# Altium PCB ZYNQ_JTY_16CH.PcbDoc (part 4 of 5)
Units mm, origin at the board's own origin, x right, y up, seen from the top; angles counter-clockwise.
Board outline 164 x 124.5 mm, 4 copper layers (Top1, GND2, PWR3, Bottom4), stack 0.568 mm thick; 525 components, 438 nets, 2202 pads, 1379 vias.
Unrouted connection lines stored in the file: 13.
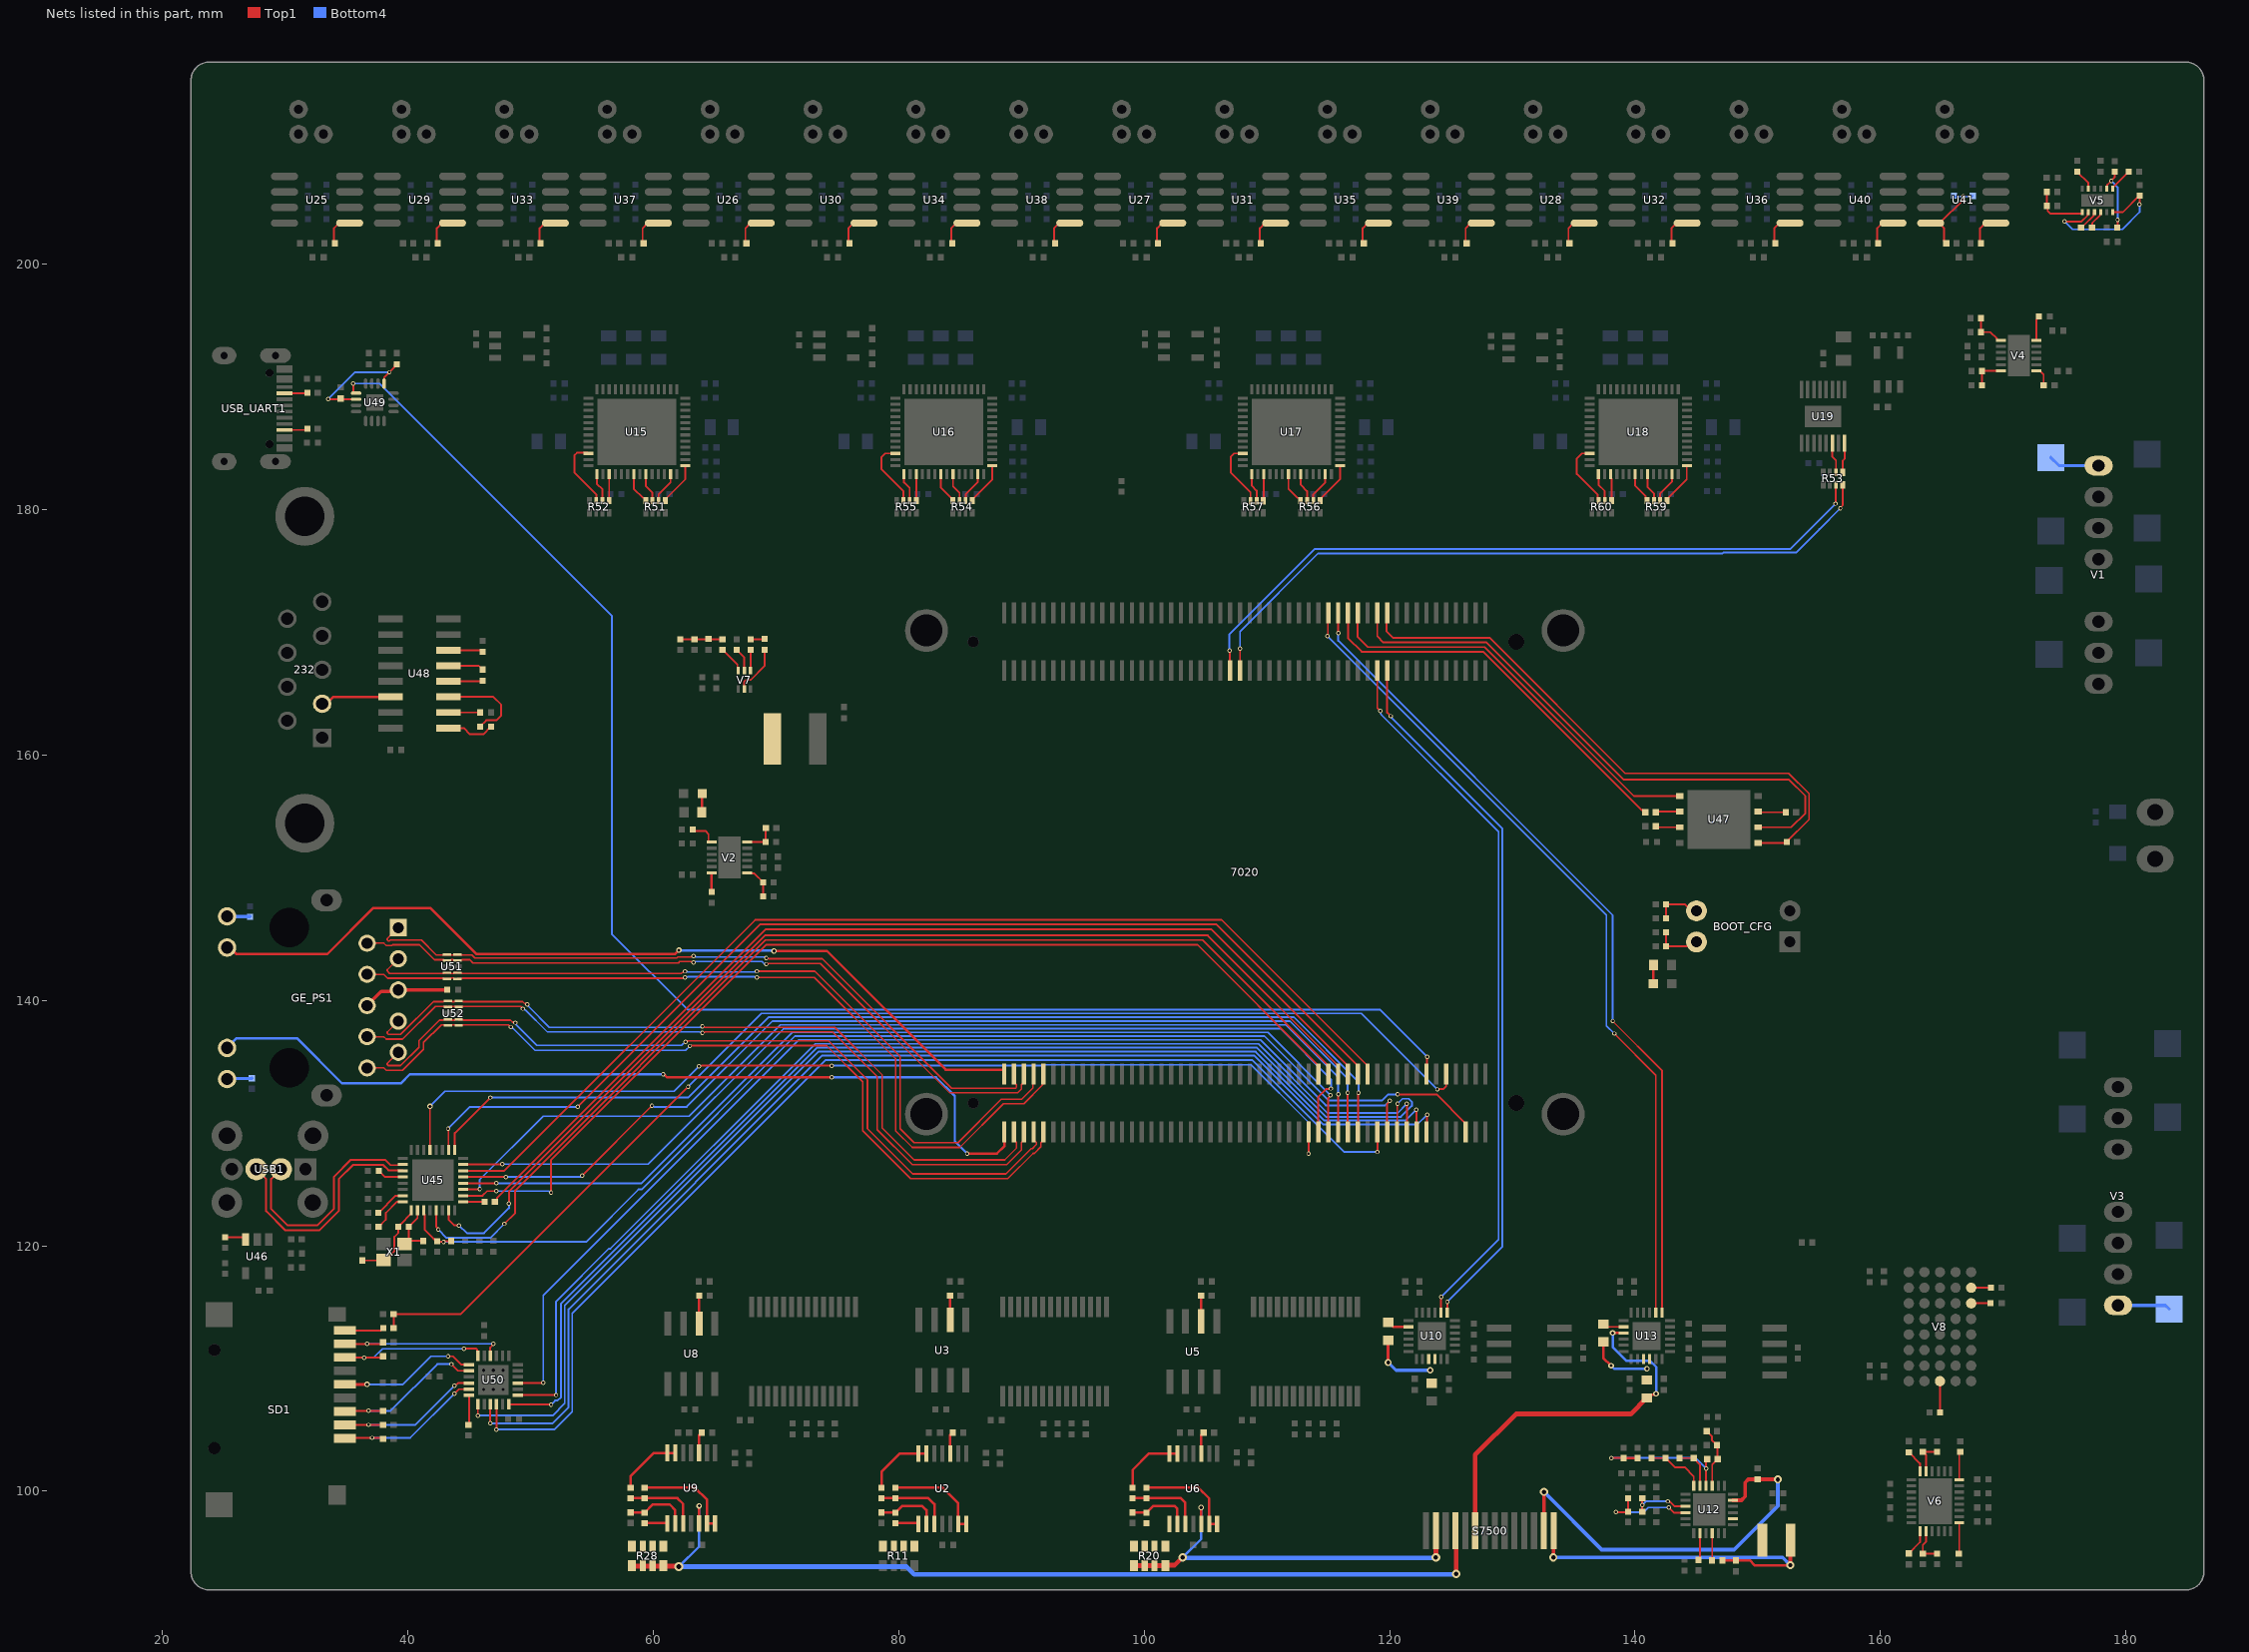
[diagram p6: the nets of this part, all layers, seen from the top]

## Via types
v1: diameter 0.457, hole 0.254, Top1 to Bottom4, tented both sides, 707 vias
v2: diameter 0.356, hole 0.203, Top1 to Bottom4, tented both sides, 314 vias
v3: diameter 0.559, hole 0.305, Top1 to Bottom4, tented both sides, 261 vias
v4: diameter 0.508, hole 0.279, Top1 to Bottom4, tented both sides, 40 vias
v5: diameter 0.66, hole 0.356, Top1 to Bottom4, tented both sides, 18 vias
v6: diameter 0.711, hole 0.381, Top1 to Bottom4, tented both sides, 14 vias
v7: diameter 0.61, hole 0.305, Top1 to Bottom4, tented both sides, 12 vias
v8: diameter 0.61, hole 0.254, Top1 to Bottom4, tented both sides, 9 vias
v9: diameter 0.508, hole 0.305, Top1 to Bottom4, tented both sides, 4 vias

## Nets (pads, with @x,y where several pads share a name; then routed paths per layer and width w, separated by ;. In a path a pad name is that pad's centre, name@x,y a point inside that pad or via, vN(x,y) a via of type N, cw(c..) or ccw(c..) an arc to the next point about the centre after c; other vN are vias at no path point) (continued)
NetC194_2: C194.2 R109.2 R110.1 U41.4 | length 7.1
  Top1 w0.152: U41.4@164.084,203.327 164.763,203.327 164.846,203.327 166.743,205.224 166.743,205.478 v2(166.751,205.486) ; U41.4@164.804,203.285 165.18,202.91 165.18,201.85 R110.1@165.354,201.676
  Bottom4 w0.152: R109.2@165.989,205.569 166.072,205.486 v2(166.751,205.486) 167.455,205.486 C194.2@167.513,205.544
NetC200_1: C200.1 V2.1 | length 2.3
  Top1 w0.152: C200.1@63.246,153.924 63.372,153.798 64.261,153.798 64.511,153.548 64.511,152.939 64.562,152.888 V2.1@64.777,152.888
NetC201_1: C201.1 V2.6 | length 1.5
  Top1 w0.203: C201.1@64.77,148.844 64.77,150.381 V2.6@64.777,150.388
NetC204_1: C204.1 R122.1 R128.1 R130.2 | length 3.4
  Top1 w0.152: R130.2@62.23,169.418 R122.1@63.373,169.418 R128.1@65.659,169.418
NetC207_1: C207.1 V4.1 | length 1.6
  Top1 w0.152: V4.1@172.713,191.282 172.992,191.282 173.286,190.988 C207.1@173.286,190.119
NetC208_1: C208.1 V4.6 | length 2
  Top1 w0.152: V4.6@172.713,193.782 172.713,195.457 C208.1@172.963,195.707
NetC211_1: C211.1 V6.28 | length 1.9
  Top1 w0.152: C211.1@162.306,103.182 163.215,102.273 V6.28@163.215,101.639
NetC212_1: C212.1 V6.9 | length 2.2
  Top1 w0.152: C212.1@162.306,94.941 163.215,95.85 V6.9@163.215,96.735
NetC218_1: C218.1 R129.1 | length 1.2
  Top1 w0.152: R129.1@67.945,169.418 69.06,169.418 C218.1@69.088,169.446
NetC218_2: C218.2 L4.1 V7.2 | length 4.1
  Top1 w0.152: V7.2@67.437,165.367 67.437,165.989 67.564,166.116 67.955,166.116 69.088,167.249 C218.2@69.088,168.546
NetC221_1: C221.1 V5.5 | length 1.8
  Top1 w0.152: C221.1@176.022,207.507 176.935,206.594 V5.5@176.935,206.116
NetC223_1: C223.1 V5.9 | length 1.7
  Top1 w0.152: C223.1@176.334,202.946 176.508,203.12 176.537,203.12 177.386,203.969 177.386,204.167 V5.9@177.435,204.216
NetC223_2: C223.2 V5.10 | length 1.6
  Top1 w0.152: C223.2@177.234,202.946 177.253,202.965 177.253,203.335 177.886,203.969 177.886,204.167 V5.10@177.935,204.216
NetC230_1: C230.1 V8.F1 | length 1.6
  Top1 w0.152: V8.F1@167.386,115.316 C230.1@168.968,115.316
NetC232_2: C232.2 R141.2 U45.25 X1.1 | length 6.8
  Top1 w0.152: C232.2@36.322,118.803 38.012,118.803 X1.1@38.051,118.842 38.475,119.266 38.621,119.266 38.922,119.567 38.922,120.737 39.243,121.057 R141.2@39.243,121.539 39.417,121.713 39.417,121.738 40.297,122.618 U45.25@40.297,122.898
NetC233_2: C233.2 R141.1 U45.26 X1.3 | length 4.5
  Top1 w0.152: X1.3@39.751,120.142 X1.3@40.005,120.396 ; U45.26@40.805,122.898 40.805,122.251 R141.1@40.093,121.539 40.093,120.484 X1.3@40.005,120.396 ; C233.2@41.275,120.396 X1.3@40.005,120.396
NetC239_2: C239.2 U45.20 | length 2.2
  Top1 w0.152: C239.2@37.658,126.111 38.166,125.603 U45.20@39.624,125.603
NetC245_1: C245.1 U48.1 | length 3.9
  Top1 w0.152: U48.1@43.332,162.179 44.577,162.179 45.085,161.671 46.17,161.671 C245.1@46.805,162.306
NetC245_2: C245.2 U48.3 | length 7.5
  Top1 w0.152: U48.3@43.332,164.719 46.99,164.719 47.625,164.084 47.625,163.195 47.244,162.814 46.413,162.814 C245.2@45.905,162.306
NetC246_1: C246.1 U48.6 | length 2.8
  Top1 w0.152: U48.6@43.332,168.529 45.974,168.529 C246.1@46.101,168.402
NetC247_1: C247.1 U48.5 | length 2.9
  Top1 w0.152: U48.5@43.332,167.259 45.789,167.259 C247.1@46.101,166.947
NetC247_2: C247.2 U48.4 | length 2.8
  Top1 w0.152: U48.4@43.332,165.989 46.043,165.989 C247.2@46.101,166.047
NetC248_1: C248.1 U48.2 | length 2.6
  Top1 w0.152: U48.2@43.332,163.449 C248.1@45.905,163.449
NetC251_2: C251.2 C252.2 U49.1 U49.6 | length 10.3
  Top1 w0.152: v2(33.528,188.976) 34.486,188.976 C252.2@34.544,189.034 34.608,188.97 U49.6@35.808,188.97 ; U49.1@38.084,190.246 38.089,190.251 38.089,190.743 v2(38.515,191.169) 38.942,191.596 38.942,191.74 C251.2@39.116,191.914
  Bottom4 w0.152: v2(33.528,188.976) 35.721,191.169 v2(38.515,191.169)
NetC260_1: C260.1 GE_PS1.5 GE_PS1.6 | length 7
  Top1 w0.254: GE_PS1.6@36.703,139.573 37.852,140.722 39.122,140.722 GE_PS1.5@39.243,140.843 39.247,140.847 43.215,140.847 C260.1@43.219,140.851
NetE2_1: E2.1 V1.8 | length 4.2
  Bottom4 w0.254: E2.1@173.863,184.229 174.536,183.556 V1.8@177.768,183.556
NetE6_1: E6.1 V3.8 | length 4.3
  Bottom4 w0.254: V3.8@179.356,115.148 183.223,115.148 E6.1@183.515,114.856
NetGE_PS1_11: GE_PS1.11 R161.1 | length 1.9
  Bottom4 w0.254: GE_PS1.11@25.293,146.838 25.306,146.825 27.165,146.825 R161.1@27.178,146.812
NetGE_PS1_14: GE_PS1.14 R162.2 | length 2
  Bottom4 w0.254: GE_PS1.14@25.293,133.578 25.328,133.613 27.27,133.613 R162.2@27.305,133.648
NetL3_2: L3.2 U12.14
NetLED1_1: LED1.1 R5.2 | length 1.5
  Top1 w0.203: LED1.1@141.478,141.351 141.478,142.838 R5.2@141.515,142.875
NetLED2_1: LED2.1 R163.2 | length 1.5
  Top1 w0.203: R163.2@63.971,155.321 63.971,156.808 LED2.1@64.008,156.845
NetR1_1: BOOT_CFG.4 R1.1 R3.1 | length 3.8
  Top1 w0.152: R1.1@142.538,145.542 R3.1@142.538,144.399 144.234,144.399 144.588,144.753 BOOT_CFG.4@145.007,144.753
NetR2_1: BOOT_CFG.3 R2.1 R4.1 | length 3.8
  Top1 w0.152: R4.1@142.538,146.685 R2.1@142.538,147.828 144.053,147.828 144.588,147.293 BOOT_CFG.3@145.007,147.293
NetR6_1: R6.1 R10.2 U2.9 | length 5.2
  Top1 w0.203: R10.2@78.613,98.265 78.616,98.262 79.753,98.262 R6.1@79.756,98.259 80.303,98.806 81.915,98.806 82.266,98.455 U2.9@82.266,97.325
NetR6_2: R6.2 R11.5 R11.6 R11.7 R11.8 U2.8 | length 1.9
  Top1 w0.203: R6.2@79.756,97.409 81.542,97.409 81.616,97.335 U2.8@81.616,97.325
NetR8_1: R8.1 U3.6 | length 2
  Top1 w0.203: U3.6@84.201,113.97 R8.1@84.201,115.951
NetR9_2: R9.2 U2.3 | length 1.8
  Top1 w0.203: U2.3@84.216,103.081 84.216,104.58 R9.2@84.411,104.775
NetR12_1: R12.1 U2.6 U2.7 | length 5.6
  Top1 w0.203: R12.1@78.613,100.285 78.613,101.6 80.094,103.081 U2.7@81.616,103.081 U2.6@82.266,103.081
NetR12_2: R12.2 R13.1 U2.10 | length 6.1
  Top1 w0.203: R12.2@78.613,99.435 78.616,99.438 79.753,99.438 R13.1@79.756,99.441 82.423,99.441 82.916,98.948 U2.10@82.916,97.325
NetR13_2: R13.2 U2.13 U2.14 | length 8
  Top1 w0.203: R13.2@79.756,100.291 83.605,100.291 84.866,99.03 U2.13@84.866,97.325 U2.14@85.516,97.325
NetR15_1: R15.1 R19.2 U6.9 | length 5.2
  Top1 w0.203: R19.2@99.06,98.265 99.063,98.262 100.2,98.262 R15.1@100.203,98.259 100.75,98.806 102.489,98.806 102.713,98.582 U6.9@102.713,97.325
NetR15_2: R15.2 R20.5 R20.6 R20.7 R20.8 U6.8
NetR17_1: R17.1 U5.6 | length 2.1
  Top1 w0.203: U5.6@104.648,113.843 R17.1@104.648,115.951
NetR18_2: R18.2 U6.3 | length 1.8
  Top1 w0.203: U6.3@104.663,103.081 104.663,104.58 R18.2@104.858,104.775
NetR21_1: R21.1 U6.6 U6.7 | length 5.7
  Top1 w0.203: R21.1@99.06,100.285 99.06,101.727 100.414,103.081 U6.7@102.063,103.081 U6.6@102.713,103.081
NetR21_2: R21.2 R22.1 U6.10 | length 6.2
  Top1 w0.203: R21.2@99.06,99.435 99.063,99.438 100.2,99.438 R22.1@100.203,99.441 102.997,99.441 103.363,99.075 U6.10@103.363,97.325
NetR22_2: R22.2 U6.13 U6.14 | length 8.2
  Top1 w0.203: R22.2@100.203,100.291 104.433,100.291 105.313,99.411 U6.13@105.313,97.325 U6.14@105.963,97.325
NetR23_1: R23.1 R27.2 U9.9 | length 5.2
  Top1 w0.203: R27.2@58.166,98.265 58.169,98.262 59.306,98.262 R23.1@59.309,98.259 59.983,98.933 61.341,98.933 61.804,98.47 U9.9@61.804,97.368
NetR23_2: R23.2 R28.5 R28.6 R28.7 R28.8 U9.8 | length 1.9
  Top1 w0.203: R23.2@59.309,97.409 61.113,97.409 U9.8@61.154,97.368
NetR25_1: R25.1 U8.6 | length 2.3
  Top1 w0.203: U8.6@63.754,113.665 R25.1@63.754,115.951
NetR26_2: R26.2 U9.3 | length 1.7
  Top1 w0.203: U9.3@63.754,103.124 63.754,104.565 R26.2@63.964,104.775
NetR29_1: R29.1 U9.6 U9.7 | length 5.4
  Top1 w0.203: R29.1@58.166,100.285 58.166,101.219 60.071,103.124 U9.7@61.154,103.124 U9.6@61.804,103.124
NetR29_2: R29.2 R30.1 U9.10 | length 6.1
  Top1 w0.203: R29.2@58.166,99.435 58.169,99.438 59.306,99.438 R30.1@59.309,99.441 61.976,99.441 62.454,98.963 U9.10@62.454,97.368
NetR30_2: R30.2 U9.13 U9.14 | length 8.1
  Top1 w0.203: R30.2@59.309,100.291 63.412,100.291 64.404,99.299 U9.13@64.404,97.368 U9.14@65.054,97.368
NetR31_2: R31.2 R32.2 U12.24 | length 4.8
  Top1 w0.152: R31.2@141.351,102.699 R32.2@142.494,102.699 143.239,101.954 144.045,101.954 144.788,101.211 U12.24@144.788,100.457
NetR33_1: R33.1 R40.1 U10.9 U10.10 | length 5.5
  Top1 w0.254: v3(119.888,110.49) R40.1@119.888,112.305
  Bottom4 w0.254: v3(119.888,110.49) 120.523,109.855 v3(123.317,109.855)
NetR34_2: R34.2 R36.2 U12.23 | length 3.6
  Top1 w0.152: R36.2@143.637,102.699 R34.2@144.78,102.699 145.288,102.191 U12.23@145.288,100.457
NetR35_2: R35.2 R38.2 R42.2 U12.21 | length 5
  Top1 w0.152: R38.2@145.835,104.902 146.26,104.477 146.26,104.184 R35.2@146.685,103.759 146.729,103.715 R42.2@146.729,102.616 146.288,102.175 U12.21@146.288,100.457
NetR39_2: R39.2 R41.2 R42.1 U12.22 | length 12.4
  Top1 w0.152: v2@138.049,102.743 v2(138.082,102.71) 139.054,102.71 R41.2@139.065,102.699 ; U12.22@145.788,100.457 145.788,102.525 R42.1@145.879,102.616
  Top1 w0.203: R41.2@139.065,102.699 R39.2@140.208,102.699
  Bottom4 w0.152: v2(138.082,102.71) 144.94,102.71 v2(145.796,101.854)
NetR40_2: R40.2 U10.2 | length 1.8
  Top1 w0.203: R40.2@119.888,113.755 119.938,113.755 120.294,113.399 U10.2@121.552,113.399
NetR43_1: R43.1 R48.2 U12.4 | length 8.1
  Top1 w0.152: v2(138.43,98.298) 139.402,98.298 R43.1@139.446,98.342 R48.2@139.446,99.441 ; v2(142.748,98.679) 143.163,98.264 U12.4@144.095,98.264
  Bottom4 w0.152: v2(138.43,98.298) 140.716,98.298 141.097,98.679 v2(142.748,98.679)
NetR44_2: R44.2 U12.8 | length 2.2
  Top1 w0.152: R44.2@145.161,94.405 145.288,94.532 U12.8@145.288,96.571
NetR45_1: R45.1 R50.1 U13.9 U13.10 | length 5.2
  Top1 w0.203: R50.1@137.414,112.178 137.414,110.871 v1(138.049,110.236)
  Bottom4 w0.203: v1(138.049,110.236) 138.303,109.982 v1(140.97,109.982)
NetR46_1: R46.1 R49.2 U12.3 | length 4.9
  Top1 w0.152: R46.1@140.589,98.342 R49.2@140.589,99.441 ; v2(142.675,99.182) 142.714,99.143 142.869,99.143 143.248,98.764 U12.3@144.095,98.764
  Bottom4 w0.152: v2(140.589,98.892) 140.879,99.182 v2(142.675,99.182)
NetR47_2: R47.2 U12.10 | length 2.2
  Top1 w0.152: R47.2@146.26,94.361 146.288,94.389 U12.10@146.288,96.571
NetR50_2: R50.2 U13.2 | length 1.6
  Top1 w0.152: R50.2@137.414,113.399 U13.2@139.052,113.399
NetR51_1: R51.1 U15.41 | length 3.5
  Top1 w0.152: R51.1@60.998,180.713 60.998,180.813 62.624,182.439 U15.41@62.624,183.559
NetR51_2: R51.2 U15.39 | length 2.5
  Top1 w0.152: R51.2@60.448,180.713 60.448,181.225 61.424,182.201 U15.39@61.424,182.855
NetR51_3: R51.3 U15.35 | length 2.4
  Top1 w0.152: U15.35@59.424,182.855 59.424,181.876 59.948,181.352 R51.3@59.948,180.713
NetR51_4: R51.4 U15.33 | length 2.6
  Top1 w0.152: U15.33@58.424,182.855 58.424,181.687 59.174,180.937 59.274,180.937 59.398,180.813 R51.4@59.398,180.713
NetR52_1: R52.1 U15.29 | length 2.1
  Top1 w0.152: U15.29@56.424,182.855 56.424,180.715 R52.1@56.426,180.713
NetR52_2: R52.2 U15.27 | length 2.3
  Top1 w0.152: U15.27@55.424,182.855 55.424,182.066 55.876,181.614 R52.2@55.876,180.713
NetR52_3: R52.3 U15.24 | length 5.7
  Top1 w0.152: U15.24@54.724,184.559 54.673,184.61 53.8,184.61 53.594,184.404 53.594,183.007 55.376,181.225 R52.3@55.376,180.713
NetR53_2: R53.2 U19.14 | length 2.5
  Top1 w0.152: U19.14@156.071,185.395 156.071,184.289 156.371,183.989 R53.2@156.371,183.007
NetR54_1: R54.1 U16.41 | length 3.5
  Top1 w0.152: R54.1@86.017,180.713 86.017,180.813 87.643,182.439 U16.41@87.643,183.559
NetR54_2: R54.2 U16.39 | length 2.5
  Top1 w0.152: R54.2@85.467,180.713 85.467,181.225 86.443,182.201 U16.39@86.443,182.855
NetR54_3: R54.3 U16.35 | length 2.4
  Top1 w0.152: U16.35@84.443,182.855 84.443,181.876 84.967,181.352 R54.3@84.967,180.713
NetR54_4: R54.4 U16.33 | length 2.5
  Top1 w0.152: U16.33@83.443,182.855 83.439,182.851 83.439,181.791 84.417,180.813 R54.4@84.417,180.713
NetR55_1: R55.1 U16.29 | length 2.1
  Top1 w0.152: U16.29@81.443,182.855 81.444,182.854 R55.1@81.445,180.713 R55.1@81.445,180.713
NetR55_2: R55.2 U16.27 | length 2.3
  Top1 w0.152: U16.27@80.443,182.855 80.443,182.193 80.899,181.737 80.899,180.717 R55.2@80.895,180.713
NetR55_3: R55.3 U16.24 | length 5.5
  Top1 w0.152: U16.24@79.743,184.559 78.895,184.559 78.613,184.277 78.613,183.261 80.395,181.479 R55.3@80.395,180.713
NetR56_1: R56.1 U17.41 | length 3.5
  Top1 w0.152: R56.1@114.338,180.713 114.338,180.813 115.964,182.439 U17.41@115.964,183.559
NetR56_2: R56.2 U17.39 | length 2.5
  Top1 w0.152: R56.2@113.788,180.713 113.788,181.225 114.764,182.201 U17.39@114.764,182.855
NetR56_3: R56.3 U17.35 | length 2.4
  Top1 w0.152: U17.35@112.764,182.855 112.764,182.003 113.288,181.479 R56.3@113.288,180.713
NetR56_4: R56.4 U17.33 | length 2.6
  Top1 w0.152: U17.33@111.764,182.855 111.764,181.687 112.514,180.937 112.614,180.937 112.738,180.813 R56.4@112.738,180.713
NetR57_1: R57.1 U17.29 | length 2.2
  Top1 w0.152: R57.1@109.728,180.705 109.746,180.723 109.746,182.837 U17.29@109.764,182.855
NetR57_2: R57.2 U17.27 | length 2.3
  Top1 w0.152: U17.27@108.764,182.855 108.764,181.939 109.178,181.525 R57.2@109.178,180.705
NetR57_3: R57.3 U17.24 | length 5.4
  Top1 w0.152: U17.24@108.064,184.559 107.343,184.559 107.061,184.277 107.061,183.007 108.678,181.39 R57.3@108.678,180.705
NetR59_1: R59.1 U18.41 | length 3.5
  Top1 w0.152: R59.1@142.593,180.713 142.593,180.813 144.219,182.439 U18.41@144.219,183.559
NetR59_2: R59.2 U18.39 | length 2.5
  Top1 w0.152: R59.2@142.043,180.713 142.043,181.286 143.019,182.262 U18.39@143.019,182.855
NetR59_3: R59.3 U18.35 | length 2.4
  Top1 w0.152: U18.35@141.019,182.855 141.019,181.815 141.543,181.291 R59.3@141.543,180.713
NetR59_4: R59.4 U18.33 | length 2.5
  Top1 w0.152: U18.33@140.019,182.855 140.019,181.926 140.869,181.076 140.869,180.837 R59.4@140.993,180.713
NetR60_1: R60.1 U18.29 | length 2.2
  Top1 w0.152: U18.29@138.019,182.855 138.019,182.575 138.087,182.507 R60.1@138.087,180.713
NetR60_2: R60.2 U18.27 | length 2.4
  Top1 w0.152: U18.27@137.019,182.855 137.033,182.841 137.033,181.991 137.537,181.487 R60.2@137.537,180.713
NetR60_3: R60.3 U18.24 | length 5.4
  Top1 w0.152: U18.24@136.319,184.559 135.664,184.559 135.255,184.15 135.255,182.88 136.963,181.172 136.963,180.787 R60.3@137.037,180.713
NetR69_1: R69.1 U25.5 | length 2.7
  Top1 w0.152: R69.1@34.08,201.676 33.998,201.758 33.998,202.908 34.417,203.327 U25.5@35.28,203.327
NetR70_1: R70.1 U26.5 | length 2.7
  Top1 w0.152: R70.1@67.608,201.676 67.526,201.758 67.526,202.908 67.945,203.327 U26.5@68.808,203.327
NetR71_1: R71.1 U27.5 | length 2.7
  Top1 w0.152: R71.1@101.136,201.676 101.054,201.758 101.054,202.908 101.473,203.327 U27.5@102.336,203.327
NetR72_1: R72.1 U28.5 | length 2.7
  Top1 w0.152: R72.1@134.664,201.676 134.582,201.758 134.582,202.908 135.001,203.327 U28.5@135.864,203.327
NetR81_1: R81.1 U29.5 | length 2.7
  Top1 w0.152: R81.1@42.462,201.676 42.38,201.758 42.38,202.908 42.799,203.327 U29.5@43.662,203.327
NetR82_1: R82.1 U30.5 | length 2.7
  Top1 w0.152: R82.1@75.99,201.676 75.908,201.758 75.908,202.908 76.327,203.327 U30.5@77.19,203.327
NetR83_1: R83.1 U31.5 | length 2.7
  Top1 w0.152: R83.1@109.518,201.676 109.436,201.758 109.436,202.908 109.855,203.327 U31.5@110.718,203.327
NetR84_1: R84.1 U32.5 | length 2.7
  Top1 w0.152: R84.1@143.046,201.676 142.964,201.758 142.964,202.908 143.383,203.327 U32.5@144.246,203.327
NetR93_1: R93.1 U33.5 | length 2.7
  Top1 w0.152: R93.1@50.844,201.676 50.762,201.758 50.762,202.908 51.181,203.327 U33.5@52.044,203.327
NetR94_1: R94.1 U34.5 | length 2.7
  Top1 w0.152: R94.1@84.372,201.676 84.29,201.758 84.29,202.908 84.709,203.327 U34.5@85.572,203.327
NetR95_1: R95.1 U35.5 | length 2.7
  Top1 w0.152: R95.1@117.9,201.676 117.818,201.758 117.818,202.908 118.237,203.327 U35.5@119.1,203.327
NetR96_1: R96.1 U36.5 | length 2.7
  Top1 w0.152: R96.1@151.428,201.676 151.346,201.758 151.346,202.908 151.765,203.327 U36.5@152.628,203.327
NetR105_1: R105.1 U37.5 | length 2.7
  Top1 w0.152: R105.1@59.226,201.676 59.144,201.758 59.144,202.908 59.563,203.327 U37.5@60.426,203.327
NetR106_1: R106.1 U38.5 | length 2.7
  Top1 w0.152: R106.1@92.754,201.676 92.672,201.758 92.672,202.908 93.091,203.327 U38.5@93.954,203.327
NetR107_1: R107.1 U39.5 | length 2.7
  Top1 w0.152: R107.1@126.282,201.676 126.2,201.758 126.2,202.908 126.619,203.327 U39.5@127.482,203.327
NetR108_1: R108.1 U40.5 | length 2.7
  Top1 w0.152: R108.1@159.81,201.676 159.728,201.758 159.728,202.908 160.147,203.327 U40.5@161.01,203.327
NetR111_1: R111.1 U41.5 | length 2.7
  Top1 w0.152: R111.1@168.192,201.676 168.11,201.758 168.11,202.908 168.529,203.327 U41.5@169.392,203.327
NetR112_1: R112.1 R115.2 V2.7 | length 2.8
  Top1 w0.152: V2.7@67.673,150.388 67.724,150.337 68.244,150.337 R115.2@68.975,149.606 R112.1@68.975,148.463
NetR113_1: R113.1 R114.2 V2.12 | length 2.7
  Top1 w0.152: V2.12@67.673,152.888 69.165,152.888 R114.2@69.185,152.908 69.185,154.045 R113.1@69.191,154.051
NetR116_1: R116.1 R121.2 V4.7 | length 3.1
  Top1 w0.152: R116.1@168.172,195.58 168.172,194.443 R121.2@168.178,194.437 168.947,194.437 169.487,193.897 169.487,193.833 169.538,193.782 V4.7@169.817,193.782
NetR117_1: R117.1 R120.2 V4.12 | length 2.7
  Top1 w0.152: R117.1@168.261,190.119 R120.2@168.261,191.262 168.281,191.282 V4.12@169.817,191.282
NetR118_1: R118.1 R124.2 V6.10 | length 3.1
  Top1 w0.152: V6.10@163.715,96.735 163.715,95.905 163.449,95.639 R118.1@163.449,94.913 164.586,94.913 R124.2@164.592,94.919
NetR119_1: R119.1 R123.2 V6.27 | length 2.8
  Top1 w0.152: R119.1@163.449,103.21 R119.1@163.455,103.204 ; V6.27@163.715,101.639 163.715,102.944 R119.1@163.455,103.204 ; R123.2@164.592,103.204 R119.1@163.455,103.204
NetR125_2: R125.2 V7.5 | length 2
  Top1 w0.152: R125.2@66.802,168.568 67.437,167.933 V7.5@67.437,166.865
NetR126_1: R126.1 V6.15 | length 2.5
  Top1 w0.152: R126.1@166.37,94.913 166.417,94.96 V6.15@166.417,97.437
NetR127_1: R127.1 V6.22 | length 2.3
  Top1 w0.152: V6.22@166.417,100.937 166.417,103.127 R127.1@166.497,103.207
NetR128_2: R128.2 V7.6 | length 2.2
  Top1 w0.152: R128.2@65.659,168.568 66.873,167.354 66.873,166.929 V7.6@66.937,166.865
NetR129_2: R129.2 V7.4 | length 1.7
  Top1 w0.152: V7.4@67.937,166.865 67.937,168.56 R129.2@67.945,168.568
NetR131_1: R131.1 R134.2 V5.2 | length 5.7
  Top1 w0.152: V5.2@178.435,206.116 178.484,206.165 178.484,206.453 179.07,207.039 R134.2@179.07,207.518 ; R131.1@179.285,202.946 179.324,202.985 v2(179.324,203.581)
  Bottom4 w0.152: v2(178.801,206.771) 179.324,206.248 v2(179.324,203.581)
NetR132_1: R132.1 V5.8 V5.12 | length 13.4
  Top1 w0.152: v2(175.006,203.454) 176.371,203.454 176.886,203.969 176.886,204.167 V5.8@176.935,204.216 ; V5.12@178.935,204.216 179.578,204.216 179.749,204.216 R132.1@181.102,205.569 v2(181.102,204.851)
  Bottom4 w0.152: v2(175.006,203.454) 175.641,202.819 179.705,202.819 181.102,204.216 v2(181.102,204.851)
NetR133_1: R133.1 V5.1 | length 1.9
  Top1 w0.152: V5.1@178.935,206.116 178.935,206.241 R133.1@180.038,207.344 ; R133.1@180.039,207.344 R133.1@180.213,207.518
NetR135_1: R135.1 R136.2 V5.7 | length 4.6
  Top1 w0.152: R136.2@173.559,205.867 173.565,205.861 R135.1@173.565,204.724 173.617,204.672 173.617,204.335 173.863,204.089 176.386,204.089 176.435,204.138 V5.7@176.435,204.216
NetR137_2: R137.2 V8.A3 | length 2.5
  Top1 w0.152: R137.2@164.846,106.426 V8.A3@164.846,108.966
NetR138_2: R138.2 V8.G1 | length 1.6
  Top1 w0.152: V8.G1@167.386,116.586 R138.2@168.993,116.586
NetR139_1: R139.1 U45.23 | length 2.6
  Top1 w0.152: R139.1@37.63,122.682 39.027,124.079 U45.23@39.624,124.079
NetR140_2: R140.2 U45.1 | length 1.7
  Top1 w0.152: U45.1@44.526,123.571 R140.2@46.267,123.571
NetR143_2: R143.2 U45.24 | length 3.2
  Top1 w0.152: R143.2@37.636,121.539 38.227,122.13 38.227,122.682 39.116,123.571 U45.24@39.624,123.571
NetR145_2: R145.2 U46.3 | length 1.7
  Top1 w0.152: R145.2@25.146,120.694 26.631,120.694 U46.3@26.802,120.523
NetR147_1: R147.1 U47.6 | length 2
  Top1 w0.152: R147.1@141.693,155.321 141.744,155.372 U47.6@143.637,155.372
NetR151_2: R151.2 SD1.7 U50.18 | length 13.3
  Top1 w0.152: SD1.7@34.884,110.905 37.913,110.905 R151.2@38.006,110.998 ; v2(44.577,111.608) 44.602,111.633 45.587,111.633 45.676,111.544 45.676,111.106 U50.18@45.74,111.043
  Bottom4 w0.152: v2(36.449,110.871) 36.488,110.91 37.25,110.91 37.948,111.608 v2(44.577,111.608)
NetR152_2: R152.2 SD1.8 U50.16 | length 14.5
  Top1 w0.152: SD1.8@34.884,112.005 37.87,112.005 R152.2@38.006,112.141 ; U50.16@46.74,111.043 46.74,111.709 46.99,111.959 v2(46.99,112.014)
  Bottom4 w0.152: v2(36.703,112.014) v2(46.99,112.014)
NetR153_2: R153.2 SD1.2 U50.22 | length 12.7
  Top1 w0.152: SD1.2@34.884,105.405 38.001,105.405 R153.2@38.006,105.41 ; v2(43.815,108.585) 43.87,108.585 44.103,108.818 U50.22@45.015,108.818
  Bottom4 w0.152: v2(36.83,105.41) 40.64,105.41 v2(43.815,108.585)
NetR154_2: R154.2 SD1.1 U50.23 | length 12.7
  Top1 w0.152: SD1.1@34.884,104.305 34.928,104.35 37.923,104.35 R154.2@38.006,104.267 ; v2(43.815,107.95) 44.182,108.317 U50.23@45.015,108.317
  Bottom4 w0.152: v2(37.108,104.35) 40.215,104.35 v2(43.815,107.95)
NetR155_2: R155.2 SD1.3 U50.20 | length 13.1
  Top1 w0.152: SD1.3@34.884,106.505 34.932,106.553 R155.2@38.006,106.553 ; v2(43.561,110.363) 44.106,109.818 U50.20@45.015,109.818
  Bottom4 w0.152: v2(36.83,106.553) 38.608,106.553 42.418,110.363 v2(43.561,110.363)
NetR156_1: R156.1 U50.24 | length 2.4
  Top1 w0.152: R156.1@44.958,105.41 45.015,105.467 U50.24@45.015,107.817
NetR157_2: R157.2 USB_UART1.4 | length 1.9
  Top1 w0.152: USB_UART1.4@29.98,189.464 31.81,189.464 R157.2@31.83,189.484
NetR158_1: R158.1 SD1.9 | length 3.2
  Top1 w0.152: SD1.9@34.884,113.105 37.833,113.105 R158.1@38.012,113.284
NetR159_2: R159.2 USB_UART1.10 | length 1.9
  Top1 w0.152: USB_UART1.10@29.98,186.464 31.731,186.464 R159.2@31.83,186.563
NetSD1_5: SD1.5 U50.19 | length 11.4
  Top1 w0.152: v2(43.307,110.998) 43.688,110.998 44.368,110.318 U50.19@45.015,110.318
  Top1 w0.254: SD1.5@34.884,108.705 34.887,108.708 36.699,108.708 v1(36.703,108.712)
  Bottom4 w0.152: v1(36.703,108.712) 39.37,108.712 39.392,108.69 39.602,108.69 41.91,110.998 v2(43.307,110.998)
OTG_CLK: 7020.J2_71 R140.1 | length 84.1
  Top1 w0.152: R140.1@47.117,123.571 47.291,123.745 47.291,123.895 69.192,145.796 105.475,145.796 116.611,134.66 7020.J2_71@116.611,133.985
OTG_D_N: U45.19 USB1.3 | length 19.5
  Top1 w0.16: USB1.3@27.686,126.238 28.479,125.445 28.479,122.827 30.055,121.252 32.81,121.252 34.417,122.858 34.417,125.458 35.553,126.593 38.004,126.593 38.439,126.158 39.577,126.158 U45.19@39.624,126.111
OTG_D_P: U45.18 USB1.2 | length 18.8
  Top1 w0.16: USB1.2@29.686,126.238 28.893,125.445 28.893,122.999 30.226,121.666 32.639,121.666 34.003,123.03 34.003,125.629 35.381,127.007 38.176,127.007 38.611,126.572 39.577,126.572 U45.18@39.624,126.619
OTG_DATA0: 7020.J2_70 U45.3 | length 83.5
  Top1 w0.152: U45.3@44.526,124.587 44.544,124.605 45.854,124.605 v2(45.872,124.623) ; 7020.J2_70@115.811,129.285 115.818,129.291 115.818,132.328 v2(115.824,132.334)
  Bottom4 w0.152: v2(45.872,124.623) 45.872,125.374 51.054,130.556 62.942,130.556 70.384,137.998 111.557,137.998 115.824,133.731 v2(115.824,132.334)
OTG_DATA1: 7020.J2_68 U45.4 | length 80.9
  Top1 w0.152: U45.4@44.526,125.095 v2(47.244,125.095) ; 7020.J2_68@115.011,129.285 115.011,132.037 115.194,132.22 v2(115.194,132.275)
  Bottom4 w0.152: v2(47.244,125.095) 59.055,125.095 71.349,137.389 110.08,137.389 v2(115.194,132.275)
OTG_DATA2: 7020.J2_72 U45.5 | length 83.7
  Top1 w0.152: U45.5@44.526,125.603 v2(48.006,125.603) ; v2(54.229,125.73) 54.232,125.73 59.899,131.397 v2(59.902,131.397) ; v2(116.586,132.461) 116.599,132.448 116.599,129.298 7020.J2_72@116.611,129.285
  Bottom4 w0.152: v2(48.006,125.603) 54.047,125.603 54.174,125.73 v2(54.229,125.73) ; v2(59.902,131.397) 59.941,131.358 60.052,131.358 60.093,131.318 62.738,131.318 69.723,138.303 111.887,138.303 116.586,133.604 v2(116.586,132.461)
OTG_DATA3: 7020.J2_75 U45.6 | length 87.8
  Top1 w0.152: U45.6@44.526,126.111 44.533,126.117 47.885,126.117 68.326,146.558 106.313,146.558 118.211,134.66 7020.J2_75@118.211,133.985
OTG_DATA4: 7020.J2_66 U45.7 | length 81.9
  Top1 w0.152: U45.7@44.526,126.619 47.692,126.619 v2(47.722,126.649) ; 7020.J2_66@114.211,129.285 114.192,129.304 114.192,132.128 114.834,132.77 115.196,132.77 v2(115.235,132.808)
  Bottom4 w0.152: v2(47.722,126.649) 59.593,126.649 70.637,137.693 111.1,137.693 115.235,133.558 v2(115.235,132.808)
OTG_DATA5: 7020.J2_74 U45.9 | length 85.2
  Top1 w0.152: U45.9@43.853,127.8 43.853,129.18 v2(46.753,132.08) ; 7020.J2_74@117.411,129.285 117.443,129.317 117.443,132.445 v2(117.475,132.477)
  Bottom4 w0.152: v2(46.753,132.08) 62.865,132.08 69.418,138.633 112.192,138.633 117.475,133.35 v2(117.475,132.477)
OTG_DATA6: 7020.J2_73 U45.10 | length 88.2
  Top1 w0.152: v2(43.307,129.54) 43.326,129.521 43.326,127.819 U45.10@43.345,127.8 ; v2(53.848,131.318) 68.707,146.177 105.894,146.177 117.411,134.66 7020.J2_73@117.411,133.985
  Bottom4 w0.152: v2(43.307,129.54) 45.085,131.318 v2(53.848,131.318)
OTG_DATA7: 7020.J2_64 U45.13 | length 82.8
  Top1 w0.152: U45.13@41.821,127.8 v1(41.821,131.356) ; v2(63.754,134.62) 63.793,134.659 63.933,134.659 63.945,134.671 v2(74.549,134.671) ; v2(113.411,127.508) 7020.J2_64@113.411,129.285
  Bottom4 w0.152: v1(41.821,131.356) 43.053,132.588 61.722,132.588 v2(63.754,134.62) ; v2(74.549,134.671) 91.62,134.671 91.696,134.747 108.712,134.747 113.411,130.048 v2(113.411,127.508)
OTG_DIR: 7020.J2_69 U45.31 | length 89.6
  Top1 w0.152: U45.31@43.345,122.898 43.345,122.136 43.815,121.666 v2(44.196,121.666) ; v2(48.26,123.444) 48.26,124.433 69.115,145.288 105.183,145.288 115.811,134.66 7020.J2_69@115.811,133.985
  Bottom4 w0.152: v2(44.196,121.666) 44.831,121.031 46.228,121.031 48.26,123.063 v2(48.26,123.444)
OTG_NXT: 7020.J2_65 U45.2 | length 84.6
  Top1 w0.152: U45.2@44.526,124.079 46.101,124.079 46.482,124.46 v2(47.244,124.46) ; v2(51.689,124.333) 51.689,127 69.215,144.526 104.345,144.526 114.211,134.66 7020.J2_65@114.211,133.985
  Bottom4 w0.152: v2(47.244,124.46) 51.507,124.46 51.634,124.333 v2(51.689,124.333)
OTG_RESETN: 7020.J2_96 C231.2 R142.1 U45.27 | length 98.4
  Top1 w0.152: U45.27@41.313,122.898 41.313,122.618 41.402,122.53 41.402,121.282 41.414,121.27 42.143,120.542 42.244,120.542 42.465,120.321 v2(42.941,120.321) ; v2@42.975,120.368 43.533,120.368 C231.2@43.561,120.396 ; v2(120.65,132.334) 123.838,132.334 126.212,129.96 7020.J2_96@126.212,129.285
  Bottom4 w0.152: v2(42.941,120.321) 54.535,120.321 58.801,124.587 59.055,124.587 71.552,137.084 109.81,137.084 115.068,131.826 119.38,131.826 119.888,132.334 v2(120.65,132.334)
OTG_STP: 7020.J2_67 U45.29 | length 90.5
  Top1 w0.152: U45.29@42.329,122.898 42.327,122.896 42.327,121.558 42.5,121.385 v2(42.5,121.33) ; v2(47.879,121.793) 48.768,122.682 48.768,124.51 69.165,144.907 104.764,144.907 115.011,134.66 7020.J2_67@115.011,133.985
  Bottom4 w0.152: v2(42.5,121.33) 43.18,120.65 46.736,120.65 v2(47.879,121.793)
PHASE: R28.1 R28.2 R28.3 R28.4 S7500.11 U9.12 | length 78.1
  Top1 w0.203: U9.12@63.754,97.368 v1(63.754,98.806)
  Top1 w0.381: R28.1@58.283,93.942 58.327,93.898 62.058,93.898 v6(62.103,93.853) ; S7500.11@125.375,96.774 125.425,96.723 v6(125.425,93.269)
  Bottom4 w0.203: v6(62.103,93.853) 63.754,95.504 v1(63.754,98.806)
  Bottom4 w0.381: v6(62.103,93.853) 80.645,93.853 81.28,93.218 125.375,93.218 v6(125.425,93.269)
PHY1_AD0/LED0: 7020.J2_1 GE_PS1.12 | length 71.1
  Top1 w0.203: GE_PS1.12@25.293,144.298 25.526,144.298 26.06,143.764 33.448,143.764 37.181,147.498 41.88,147.498 45.62,143.758 61.773,143.758 v1(62.103,144.088) ; v1(69.85,144.018) 74.168,144.018 83.84,134.346 88.537,134.346 88.61,134.272 7020.J2_1@88.61,133.985
  Bottom4 w0.152: v1(62.103,144.088) v1@62.138,144.053 ; v1@69.815,144.053 v1(69.85,144.018)
  Bottom4 w0.203: v1@62.138,144.053 v1@69.815,144.053
PHY1_AD1/LED1: 7020.J2_2 GE_PS1.13 | length 71.8
  Top1 w0.203: v2(60.833,133.985) 60.874,133.985 61.128,133.731 v2(74.549,133.731) ; v2(85.598,127.508) 88.011,127.508 88.61,128.107 7020.J2_2@88.61,129.285
  Bottom4 w0.203: GE_PS1.13@25.293,136.118 26.081,136.906 30.988,136.906 34.671,133.223 39.433,133.223 40.195,133.985 v2(60.833,133.985) ; v2(74.549,133.731) 83.058,133.731 84.582,132.207 84.582,128.524 v2(85.598,127.508)
PHY1_MDI0_N: 7020.J2_5 GE_PS1.2 U51.2 U51.9 | length 60.1
  Top1 w0.133: GE_PS1.2@36.703,144.653 38.071,144.653 38.269,144.456 38.7,144.456 38.764,144.52 40.964,144.52 42.179,143.304 42.975,143.304 42.998,143.281 U51.2@43.232,143.281 ; U51.2@43.199,143.248 U51.2@43.232,143.281 ; v2(63.287,143.093) 63.244,143.135 63.116,143.135 63.098,143.153 62.168,143.153 62.066,143.05 45.327,143.05 45.073,143.304 44.42,143.304 44.397,143.281 43.762,143.281 43.739,143.304 43.529,143.304 43.506,143.281 43.293,143.281 U51.2@43.232,143.281 ; v2(69.215,142.942) 69.258,142.984 69.386,142.984 69.404,143.002 73.621,143.002 84.168,132.455 89.684,132.455 90.004,132.775 90.004,133.124 90.082,133.202 90.102,133.202 90.21,133.31 7020.J2_5@90.21,133.985
  Bottom4 w0.133: v2(63.287,143.093) 63.33,143.135 63.458,143.135 63.476,143.153 68.875,143.153 69.044,142.984 69.172,142.984 v2(69.215,142.942)
PHY1_MDI0_P: 7020.J2_3 GE_PS1.1 U51.1 U51.10 | length 59.1
  Top1 w0.133: GE_PS1.1@39.243,145.923 38.351,145.031 38.351,144.921 38.429,144.843 38.539,144.843 38.603,144.907 41.124,144.907 42.34,143.691 42.975,143.691 42.998,143.715 U51.1@43.232,143.715 ; U51.1@43.199,143.748 U51.1@43.232,143.715 ; v2(63.287,143.601) 63.244,143.558 63.116,143.558 63.098,143.54 62.008,143.54 61.905,143.437 45.487,143.437 45.233,143.691 44.42,143.691 44.397,143.715 43.762,143.715 43.739,143.691 43.529,143.691 43.506,143.715 43.293,143.715 U51.1@43.232,143.715 ; v2(69.215,143.45) 69.258,143.407 69.386,143.407 69.404,143.389 73.781,143.389 84.328,132.842 89.523,132.842 89.617,132.935 89.617,133.124 89.539,133.202 89.519,133.202 89.41,133.31 7020.J2_3@89.41,133.985
  Bottom4 w0.133: v2(63.287,143.601) 63.33,143.558 63.458,143.558 63.476,143.54 69.035,143.54 69.037,143.539 69.066,143.539 69.155,143.45 v2(69.215,143.45)
PHY1_MDI1_N: 7020.J2_9 GE_PS1.4 U51.5 U51.6 | length 67.6
  Top1 w0.133: GE_PS1.4@36.703,142.113 38.071,142.113 38.38,141.804 42.975,141.804 42.998,141.781 U51.5@43.232,141.781 ; U51.5@43.199,141.748 U51.5@43.232,141.781 ; U51.5@43.326,141.748 U51.5@43.293,141.781 ; v2(62.611,141.859) 62.568,141.816 62.479,141.816 62.467,141.804 44.42,141.804 44.397,141.781 44.102,141.781 U51.6@44.069,141.748 43.829,141.748 43.77,141.807 43.582,141.807 43.579,141.804 43.529,141.804 43.506,141.781 U51.5@43.293,141.781 ; v2(68.453,141.859) 73.146,141.859 79.75,135.255 79.75,129.38 81.12,128.01 84.996,128.01 88.552,131.566 90.203,131.566 91.744,133.106 91.744,133.918 7020.J2_9@91.81,133.985 ; U51.5@43.232,141.781 U51.5@43.293,141.781
  Bottom4 w0.133: v2(62.611,141.859) 62.654,141.902 62.782,141.902 62.8,141.919 68.264,141.919 68.282,141.902 68.41,141.902 v2(68.453,141.859)
PHY1_MDI1_P: 7020.J2_7 GE_PS1.3 U51.4 U51.7 | length 66.6
  Top1 w0.133: GE_PS1.3@39.243,143.383 38.351,142.491 38.351,142.381 38.54,142.191 42.975,142.191 42.998,142.214 U51.4@43.232,142.214 ; U51.4@43.199,142.248 U51.4@43.232,142.214 ; U51.4@43.326,142.248 U51.4@43.293,142.214 ; v2(62.611,142.367) 62.551,142.367 62.455,142.271 62.386,142.271 62.307,142.191 44.42,142.191 44.397,142.214 44.102,142.214 U51.7@44.069,142.248 43.829,142.248 43.77,142.189 43.582,142.189 43.579,142.191 43.529,142.191 43.506,142.214 U51.4@43.293,142.214 ; v2(68.453,142.367) 73.185,142.367 80.137,135.415 80.137,129.54 81.28,128.397 84.836,128.397 88.392,131.953 90.043,131.953 90.943,132.853 90.943,133.918 7020.J2_7@91.01,133.985 ; U51.4@43.232,142.214 U51.4@43.293,142.214
  Bottom4 w0.133: v2(62.611,142.367) 62.654,142.324 62.782,142.324 62.8,142.307 68.264,142.307 68.282,142.324 68.41,142.324 v2(68.453,142.367)
PHY1_MDI2_N: 7020.J2_6 GE_PS1.8 U52.2 U52.9 | length 64.6
  Top1 w0.133: GE_PS1.8@36.703,137.033 38.071,137.033 38.269,136.836 39.595,136.836 42.262,139.502 42.937,139.502 42.96,139.479 43.255,139.479 U52.2@43.288,139.446 43.321,139.479 43.595,139.479 43.618,139.502 43.828,139.502 43.851,139.479 44.124,139.479 U52.9@44.158,139.446 44.191,139.479 44.486,139.479 44.509,139.502 49.214,139.502 49.397,139.319 v2(49.403,139.319) ; v2(64.008,137.354) 64.051,137.396 64.179,137.396 64.197,137.414 74.637,137.414 78.266,133.785 78.266,129.467 81.12,126.613 88.806,126.613 90.004,127.81 90.004,128.424 90.082,128.502 90.102,128.502 90.21,128.61 7020.J2_6@90.21,129.285
  Bottom4 w0.133: v2(49.403,139.319) 49.463,139.319 49.554,139.228 49.58,139.228 51.393,137.414 63.819,137.414 63.837,137.396 63.965,137.396 v2(64.008,137.354)
PHY1_MDI2_P: 7020.J2_4 GE_PS1.7 U52.1 U52.10 | length 63.7
  Top1 w0.133: GE_PS1.7@39.243,138.303 38.351,137.411 38.351,137.301 38.429,137.223 39.435,137.223 42.102,139.889 42.937,139.889 42.96,139.912 43.255,139.912 U52.1@43.288,139.946 43.321,139.912 43.595,139.912 43.618,139.889 43.828,139.889 43.851,139.912 44.124,139.912 U52.10@44.158,139.946 44.191,139.912 44.486,139.912 44.509,139.889 49.374,139.889 49.543,139.721 49.72,139.721 v2(49.762,139.678) ; v2(64.008,137.862) 64.051,137.819 64.179,137.819 64.197,137.801 74.797,137.801 78.653,133.945 78.653,129.627 81.28,127 88.646,127 89.617,127.971 89.617,128.424 89.539,128.502 89.519,128.502 89.41,128.61 7020.J2_4@89.41,129.285
  Bottom4 w0.133: v2(49.762,139.678) 49.762,139.618 49.853,139.527 49.853,139.502 51.554,137.801 63.819,137.801 63.837,137.819 63.965,137.819 v2(64.008,137.862)
PHY1_MDI3_N: 7020.J2_10 GE_PS1.10 U52.5 U52.6 | length 67.2
  Top1 w0.133: GE_PS1.10@36.703,134.493 38.071,134.493 38.269,134.296 39.595,134.296 41.309,136.009 41.309,136.563 42.748,138.002 42.937,138.002 42.96,137.979 43.255,137.979 U52.5@43.288,137.946 43.321,137.979 43.595,137.979 43.618,138.002 43.668,138.002 43.671,138.005 43.859,138.005 43.918,137.946 U52.6@44.158,137.946 44.191,137.979 44.486,137.979 44.509,138.002 48.22,138.002 48.405,137.817 v2(48.409,137.817) ; v2(62.992,136.271) 63.027,136.306 74.133,136.306 77.083,133.356 77.083,129.38 80.993,125.47 88.9,125.47 90.962,127.531 91.06,127.531 91.604,128.075 91.604,128.424 91.682,128.502 91.702,128.502 91.81,128.61 7020.J2_10@91.81,129.285
  Bottom4 w0.133: v2(48.409,137.817) 48.469,137.817 48.56,137.726 48.585,137.726 48.873,137.438 50.378,135.933 62.654,135.933 v2(62.992,136.271)
PHY1_MDI3_P: 7020.J2_8 GE_PS1.9 U52.4 U52.7 | length 66.2
  Top1 w0.133: GE_PS1.9@39.243,135.763 38.351,134.871 38.351,134.761 38.429,134.683 39.435,134.683 40.922,136.169 40.922,136.723 42.588,138.389 42.937,138.389 42.96,138.412 43.255,138.412 U52.4@43.288,138.446 43.321,138.412 43.595,138.412 43.618,138.389 43.668,138.389 43.671,138.387 43.859,138.387 43.918,138.446 U52.7@44.158,138.446 44.191,138.412 44.486,138.412 44.509,138.389 48.38,138.389 48.551,138.219 48.725,138.219 v2(48.768,138.176) ; v2(62.633,136.63) 62.675,136.673 62.846,136.673 62.866,136.693 74.294,136.693 77.47,133.516 77.47,129.54 81.153,125.857 88.74,125.857 90.801,127.919 90.9,127.919 91.217,128.235 91.217,128.424 91.139,128.502 91.118,128.502 91.01,128.61 7020.J2_8@91.01,129.285
  Bottom4 w0.133: v2(48.768,138.176) 48.768,138.116 48.859,138.025 48.859,137.999 49.26,137.598 50.538,136.321 62.315,136.321 62.624,136.63 v2(62.633,136.63)
QSPI_CLK: 7020.J1_71 R147.2 | length 32.2
  Top1 w0.152: 7020.J1_71@116.61,171.569 116.61,169.521 117.729,168.402 127.635,168.402 139.573,156.464 140.542,155.495 140.669,155.495 R147.2@140.843,155.321
QSPI_CS: 7020.J1_79 R148.1 U47.1 | length 48.5
  Top1 w0.152: 7020.J1_79@119.81,171.569 119.761,171.52 119.761,170.053 120.269,169.545 128.143,169.545 139.192,158.496 152.527,158.496 154.178,156.845 154.178,154.73 R148.1@152.356,152.908 152.28,152.832 U47.1@150.038,152.832
QSPI_IO0: 7020.J1_73 U47.5 | length 33.6
  Top1 w0.152: 7020.J1_73@117.41,171.569 117.41,169.61 118.237,168.783 127.762,168.783 139.903,156.642 U47.5@143.637,156.642
QSPI_IO1: 7020.J1_77 U47.2 | length 47.9
  Top1 w0.152: 7020.J1_77@119.01,171.569 118.999,171.558 118.999,169.672 119.507,169.164 127.889,169.164 139.065,157.988 152.527,157.988 153.873,156.642 153.873,155.248 152.727,154.102 U47.2@150.038,154.102
QSPI_IO2: R149.1 U47.3 | length 2.4
  Top1 w0.152: U47.3@150.038,155.372 150.089,155.321 R149.1@152.273,155.321 R149.1@152.4,155.194
QSPI_IO3: R150.1 U47.7 | length 2
  Top1 w0.152: R150.1@141.693,154.178 141.769,154.102 U47.7@143.637,154.102
RIGHT: R20.1 R20.2 R20.3 R20.4 S7500.13 U6.12 | length 33.1
  Top1 w0.203: v1(104.648,98.679) 104.655,98.672 104.655,97.333 U6.12@104.663,97.325
  Top1 w0.381: R20.1@99.177,93.942 R20.2@100.057,93.942 R20.3@100.857,93.942 R20.4@101.737,93.942 101.775,93.98 102.489,93.98 103.124,94.615 v6(103.154,94.615) ; v6(123.773,94.615) 123.774,94.616 S7500.13@123.775,96.774 S7500.13@123.775,96.774
  Bottom4 w0.203: v6(103.154,94.615) 104.648,96.109 v1(104.648,98.679)
  Bottom4 w0.381: v6(103.154,94.615) 103.207,94.563 123.72,94.563 v6(123.773,94.615)
RXD: 7020.J2_87 U49.5 | length 127.8
  Top1 w0.152: v2(35.56,190.246) 35.579,190.227 35.579,189.529 35.638,189.47 U49.5@35.808,189.47 ; 7020.J2_87@123.012,133.985 123.037,134.011 123.037,135.356 v2(123.063,135.382)
  Bottom4 w0.152: v2(35.56,190.246) 37.719,190.246 56.642,171.323 56.642,145.415 62.814,139.243 119.202,139.243 v2(123.063,135.382)
RXD_232: 232.2 U48.14 | length 5.8
  Top1 w0.203: 232.2@33.043,164.162 33.394,164.162 33.951,164.719 U48.14@38.608,164.719
SCK: R53.1 U19.16 | length 2.4
  Top1 w0.152: R53.1@156.921,183.007 156.921,183.958 157.071,184.108 U19.16@157.071,185.395
SCK9: 7020.J1_50 R53.8 | length 58.2
  Top1 w0.152: 7020.J1_50@107.81,166.869 107.817,166.876 v2(107.817,168.65) ; v2(156.718,180.086) 156.718,180.141 156.921,180.344 R53.8@156.921,182.007
  Bottom4 w0.152: v2@107.823,168.656 107.823,170.053 114.173,176.403 147.117,176.403 147.193,176.479 153.111,176.479 155.022,178.39 v2(156.718,180.086)
SCLK_GAIN: 7020.J1_78 U10.20 | length 58.4
  Top1 w0.152: 7020.J1_78@119.01,166.869 119.005,166.864 119.005,163.819 119.248,163.576 v2(119.248,163.571) ; U10.20@124.194,114.541 124.2,114.547 124.2,115.818 v2(124.206,115.824)
  Bottom4 w0.152: v2(119.248,163.571) 119.287,163.532 119.287,163.345 119.299,163.332 119.299,163.31 128.88,153.73 128.88,120.498 v2(124.206,115.824)
SCLK_SOA: 7020.J1_67 U13.20 | length 68.1
  Top1 w0.152: v2(114.935,169.672) 114.972,169.709 114.972,171.532 7020.J1_67@115.01,171.569 ; v2(138.303,137.287) 141.695,133.895 U13.20@141.695,114.541
  Bottom4 w0.152: v2(114.935,169.672) 137.668,146.939 137.668,137.922 v2(138.303,137.287)
SD_CD: 7020.J2_91 R158.2 R160.1 | length 100.7
  Top1 w0.152: R158.2@38.862,113.284 38.862,114.421 R160.1@38.856,114.427 44.323,114.427 v2(62.865,132.969) ; v2(123.901,132.735) 123.937,132.771 124.389,132.771 124.612,132.994 7020.J2_91@124.612,133.985
  Bottom4 w0.152: v2(62.865,132.969) 68.834,138.938 117.699,138.938 v2(123.901,132.735)
SD_CLK: 7020.J2_80 U50.9 | length 91.8
  Top1 w0.152: U50.9@48.965,108.818 48.976,108.828 51.043,108.828 v2(51.054,108.839) ; 7020.J2_80@119.811,129.285 119.811,131.567 120.015,131.771 v2(120.015,131.826)
  Bottom4 w0.152: v2(51.054,108.839) 51.054,115.951 71.882,136.779 109.474,136.779 114.808,131.445 119.634,131.445 v2(120.015,131.826)
SD_CMD: 7020.J2_78 U50.4 | length 95.7
  Top1 w0.152: U50.4@47.24,107.093 47.242,107.091 47.242,105.031 v2(47.244,105.029) ; v2(119.011,127.647) 7020.J2_78@119.011,129.285
  Bottom4 w0.152: v2(47.244,105.029) 51.943,105.029 53.416,106.502 53.416,114.503 74.041,135.128 108.839,135.128 116.32,127.647 v2(119.011,127.647)
SD_D0: 7020.J2_82 U50.6 | length 96.9
  Top1 w0.152: U50.6@48.24,107.093 48.272,107.061 v2(51.689,107.061) ; 7020.J2_82@120.612,129.285 120.631,129.304 120.631,131.553 v2(120.65,131.572)
  Bottom4 w0.152: v2(51.689,107.061) 52.016,107.388 52.213,107.388 52.502,107.677 52.502,115.29 73.356,136.144 109.193,136.144 114.832,130.505 120.92,130.505 121.818,131.404 121.818,131.74 121.58,131.978 121.056,131.978 v2(120.65,131.572)
SD_D1: 7020.J2_84 U50.7 | length 93.7
  Top1 w0.152: U50.7@48.965,107.817 48.979,107.831 52.081,107.831 v2(52.095,107.845) ; 7020.J2_84@121.412,129.285 v2(121.412,131.572)
  Bottom4 w0.152: v2(52.095,107.845) 52.095,115.468 56.388,119.761 56.515,119.761 73.203,136.449 109.319,136.449 114.958,130.81 120.65,130.81 v2(121.412,131.572)
SD_D2: 7020.J2_86 U50.1 | length 98.9
  Top1 w0.152: v2(45.72,106.172) 45.73,106.182 45.73,107.083 U50.1@45.74,107.093 ; v2(122.174,131.089) 122.193,131.07 122.193,129.304 7020.J2_86@122.212,129.285
  Bottom4 w0.152: v2(45.72,106.172) 51.816,106.172 52.807,107.163 52.807,115.164 73.457,135.814 109.092,135.814 114.706,130.2 121.285,130.2 v2(122.174,131.089)
SD_D3: 7020.J2_88 U50.3 | length 99.1
  Top1 w0.152: v2(46.736,105.537) 46.738,105.539 46.738,107.091 U50.3@46.74,107.093 ; 7020.J2_88@123.012,129.285 123.037,129.31 123.037,130.657 v2(123.063,130.683)
  Bottom4 w0.152: v2(46.736,105.537) 51.816,105.537 53.111,106.832 53.111,114.833 73.787,135.509 108.966,135.509 114.579,129.896 122.276,129.896 v2(123.063,130.683)
SDI_GAIN: 7020.J1_80 U10.19 | length 58.1
  Top1 w0.152: 7020.J1_80@119.81,166.869 119.81,163.438 120.096,163.151 v2(120.098,163.151) ; U10.19@124.694,114.541 124.704,114.551 124.704,115.433 v2(124.714,115.443)
  Bottom4 w0.152: v2(120.098,163.151) 120.098,163.101 129.184,154.015 129.184,119.913 v2(124.714,115.443)
SDI_SOA: 7020.J1_69 U13.19 | length 68
  Top1 w0.152: 7020.J1_69@115.81,171.569 115.817,171.562 115.817,169.933 v2(115.824,169.926) ; v2(138.176,138.303) 142.195,134.284 U13.19@142.195,114.541
  Bottom4 w0.152: v2(115.824,169.926) 115.824,169.291 138.176,146.939 v2(138.176,138.303)
SDO9: 7020.J1_48 R53.7 | length 58.3
  Top1 w0.152: v2(106.972,168.491) 106.972,166.907 7020.J1_48@107.01,166.869 ; v2(156.337,180.467) 156.354,180.484 156.354,181.99 R53.7@156.371,182.007
  Bottom4 w0.152: v2(106.972,168.491) 106.934,168.529 106.934,169.799 113.919,176.784 152.654,176.784 v2(156.337,180.467)
SOA: R45.2 S7500.9 U13.3 | length 31.4
  Top1 w0.203: v1(138.176,112.903) 138.178,112.901 139.05,112.901 U13.3@139.052,112.899 ; R45.2@140.97,107.606 141.243,107.879 141.576,107.879 141.647,107.95 v1(141.716,107.95)
  Top1 w0.381: S7500.9@126.975,96.774 126.975,102.972 130.302,106.299 139.663,106.299 R45.2@140.97,107.606
  Bottom4 w0.203: v1(138.176,112.903) 138.176,111.76 139.319,110.617 141.224,110.617 141.732,110.109 141.732,107.966 v1(141.716,107.95)
TEC+: C45.2 S7500.2 U12.17 | length 32.8
  Top1 w0.305: S7500.2@132.575,96.774 132.582,96.78 132.582,99.943 v5(132.588,99.949) ; U12.17@147.981,99.264 148.667,99.264 148.971,99.568 148.971,100.711 149.225,100.965 C45.2@149.987,100.965 v5(151.638,100.965)
  Bottom4 w0.305: v5(132.588,99.949) 137.287,95.25 148.082,95.25 151.638,98.806 v5(151.638,100.965)
TEC-: C51.2 L3.1 R47.1 S7500.1 | length 29.5
  Top1 w0.203: R47.1@147.11,94.361 147.116,94.367 148.203,94.367 C51.2@148.209,94.372 149.341,94.372 149.733,93.98 v5(152.654,93.98)
  Top1 w0.305: v5(133.35,94.615) 133.362,94.627 133.362,96.762 S7500.1@133.375,96.774 ; v5(152.654,93.98) 152.661,93.987 152.661,96.005 L3.1@152.668,96.012
  Bottom4 w0.305: v5(133.35,94.615) 152.019,94.615 v5(152.654,93.98)